# Altium PCB PA_8CH_CTRL.PcbDoc (part 10 of 11) (continued)
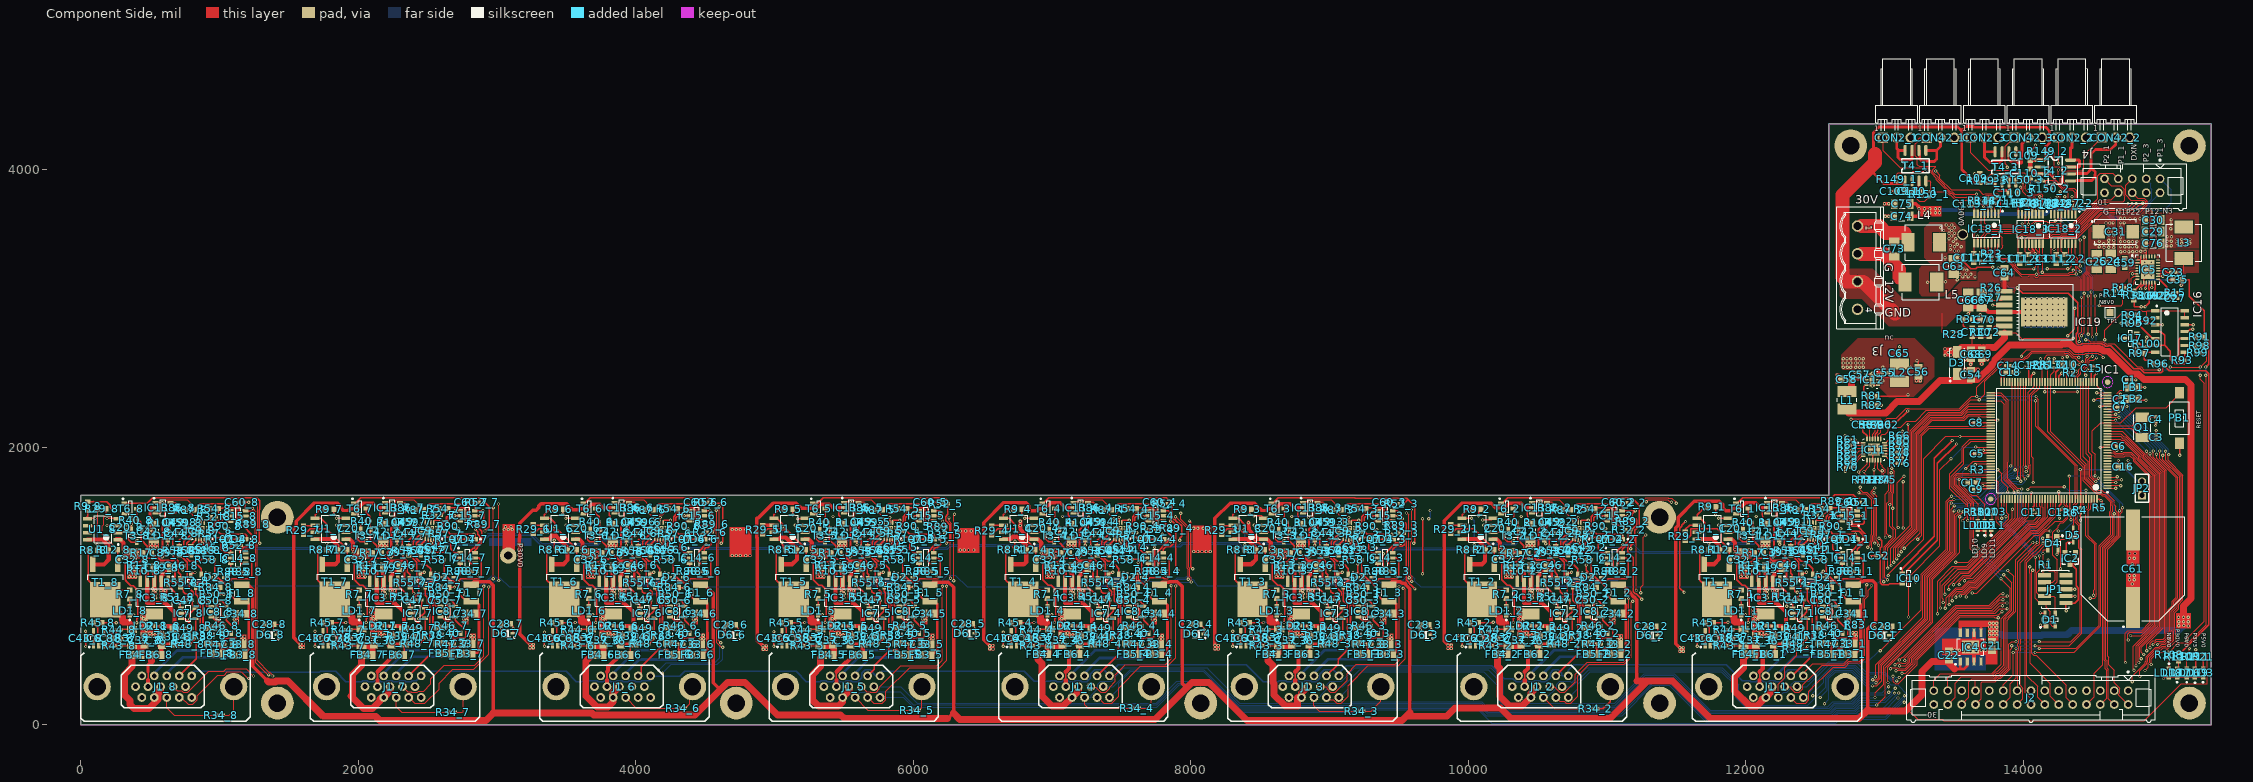
[diagram p0: Component Side view]
## Nets (pads, with @x,y where several pads share a name; then routed paths per layer and width w, separated by ;. In a path a pad name is that pad's centre, name@x,y a point inside that pad or via, vN(x,y) a via of type N, cw(c..) or ccw(c..) an arc to the next point about the centre after c; other vN are vias at no path point) (continued)
  Component Side w10: IC1.134@14333.64,1627.74 14334.81,1626.57 14334.81,1556.69 R6.2@14343,1548.5
  Solder Side w6: v1(14145,1113) 14256,1113 v1(14268,1125) ; v1(14331,1793) 14334,1796 v1(14517,1796)
SIG_ON_CH0: IC1.93 R50_8.1 R84_8.2 | length 15022.1
  Component Side w6: v1(13172,777) 13172.43,777.43 13172.43,1065.43 13399,1292 13399,1836.97 v1@13479.51,1917.49 ; v1(13658,2002.59) 13761.94,2002.59 IC1.93@13764.74,1999.79
  Component Side w10: R84_8.2@1002.5,992 1002.5,948.99 R50_8.1@994.5,941 v1(1031,941)
  Signal Layer 1 w6: v1(1031,941) 1197,941 1373,1117 2292,1117 2340,1069 2509,1069 2620,958 2761,958 2823.81,1020.81 2957.79,1020.81 2958.41,1020.19 2960.65,1020.19 2973.65,1007.19 3025.59,1007.19 3028.4,1010 3460,1010 3565.95,1115.95 3991.05,1115.95 4029,1078 4161,1078 4308,931 4504.97,931 4608.97,1035 5051,1035 5147,1131 5678.49,1131 5686.73,1139.24 5703.97,1139.24 5712.2,1131 5874.03,1131 5915,1090.03 5915,962.72 5974.72,903 6021,903 6022,904 6085.57,904 6259.38,1077.81 6265.81,1077.81 6301,1113 6889.88,1113 6955.55,1047.33 7018.79,1047.33 7049.46,1078 7456,1078 7464,1086 7521.43,1086 7542.28,1065.15 7683.03,1065.15 7746.88,1129 7860.88,1129 7891.88,1160 7980.4,1160 7983.21,1157.19 8178.21,1157.19 8181.02,1160 8463,1160 8508.05,1114.95 8606.1,1114.95 8607.1,1115.95 8624.34,1115.95 8625.34,1114.95 8672.34,1114.95 8690.1,1097.19 8766.81,1097.19 8788,1076 8953,1076 9043,986 9239,986 9311,1058 9507,1058 9577,1128 10074,1128 10239,963 10239.09,963 10242.09,960 10349.88,960 10400.88,1011 10544.03,1011 10587.22,967.81 10697.62,967.81 10788.1,877.33 10875.33,877.33 10961.33,963.33 11177.9,963.33 11205.38,990.81 11811.25,990.81 11873.06,929 12007.09,929 12103.09,833 12243.57,833 12286.38,875.81 12307.16,875.81 12341.64,841.33 12403,841.33 12415,829.33 12565.27,829.33 12589.94,854 12728,854 12805,777 v1(13172,777)
  Solder Side w6: v1(13479,1918) 13563.59,2002.59 v1(13658,2002.59)
SIG_ON_CH1: IC1.124 R50_7.1 R84_7.2 | length 13119.2
  Component Side w6: v1(13438,840) 13438,860 13441,863 13441,870.57 13443.81,873.38 13443.81,916.81 13515,988 13555,988 13606.31,1039.31 13640,1039.31 14046.69,1446 14089.94,1446 14142,1498.06 14142,1568 14136.79,1573.21 IC1.124@14136.79,1627.74
  Component Side w10: R50_7.1@2648.05,942.14 2656.04,950.13 R84_7.2@2656.04,993.14 2656.18,993 v1(2693,993)
  Signal Layer 1 w6: v1(2693,993) 2730,993 2790,1053 2870,1053 2956.95,1139.95 3816.35,1139.95 3850.35,1173.95 3894.71,1173.95 3903.66,1165 4096.57,1165 4105.38,1173.81 4122.62,1173.81 4131.43,1165 4159.03,1165 4304,1020.03 4304,979 4326.81,956.19 4393.97,956.19 4469.78,1032 4563,1032 4590,1059 5035,1059 5162.33,1186.33 5367.25,1186.33 5367.92,1187 5410.06,1187 5423.66,1200.61 5440.9,1200.61 5454.19,1187.32 5454.19,1186.38 5466.38,1174.19 5483.62,1174.19 5498.62,1189.19 5634.08,1189.19 5667.84,1222.95 5822.14,1222.95 5939,1106.09 5939,972.66 5983.66,928 6075.63,928 6284.63,1137 7042.66,1137 7071.33,1108.33 7215.33,1108.33 7248.33,1141.33 7327.33,1141.33 7355.81,1169.81 7494.34,1169.81 7575,1089.15 7673.09,1089.15 7736.94,1153 7850.94,1153 7881.94,1184 7990.34,1184 7993.15,1181.19 8168.27,1181.19 8171.08,1184 8479.03,1184 8523.08,1139.95 8634.28,1139.95 8635.28,1138.95 8682.28,1138.95 8700.04,1121.19 8787.84,1121.19 8804.03,1105 8966.03,1105 8989.03,1082 9035.03,1082 9064.03,1053 9135.4,1053 9154.21,1034.19 9233.16,1034.19 9309.3,1110.33 9456.51,1110.33 9459.63,1113.45 9500.39,1113.45 9539.94,1153 10083.03,1153 10252.03,984 10339.94,984 10393.94,1038 10554,1038 10600.19,991.81 10732.82,991.81 10767.44,957.19 10813.76,957.19 10819.38,962.81 10860.72,962.81 10885.24,987.33 11167.96,987.33 11195.44,1014.81 11821.19,1014.81 11883,953 12017.03,953 12113.03,857 12233.63,857 12276.44,899.81 12317.1,899.81 12351.58,865.33 12412.94,865.33 12424.94,853.33 12553.73,853.33 12557.04,856.64 12558.64,856.64 12580,878 12739,878 12794.57,822.43 13390,822.43 13390.43,822 13420,822 v1(13438,840)
SIG_ON_CH2: IC1.125 R50_6.1 R84_6.2 | length 11328.3
  Component Side w6: v1(13466,867) 13466,922.03 13519.97,976 13559.97,976 13611.28,1027.31 13644.97,1027.31 14049.66,1432 14092.91,1432 14156.47,1495.56 IC1.125@14156.47,1627.74
  Component Side w10: R50_6.1@4301.59,942.14 4309.58,950.13 R84_6.2@4309.58,993.14 4313.72,989 v1(4349,989)
  Signal Layer 1 w6: v1(4349,989) 4374,989 4441,1056 4527,1056 4556,1085 5007.97,1085 5219.92,1296.95 5387.22,1296.95 5439.11,1245.06 5558.11,1245.06 5558.98,1244.19 5613.25,1244.19 5619.01,1249.95 5829.08,1249.95 5966.05,1112.98 5966.05,979.55 5989.6,956 6069.69,956 6274.69,1161 7052.6,1161 7081.27,1132.33 7205.33,1132.33 7238.33,1165.33 7317.27,1165.33 7386.89,1234.95 7473.76,1234.95 7593.03,1115.69 7665.69,1115.69 7727,1177 7841,1177 7873,1209 7999.28,1209 8003.09,1205.19 8158.32,1205.19 8162.14,1209 8492,1209 8537.05,1163.95 8644.22,1163.95 8645.22,1162.95 8692.22,1162.95 8708.98,1146.19 8751.59,1146.19 8756.01,1150.61 8761.44,1145.19 8798.56,1145.19 8800.69,1147.31 8818,1130 8864,1130 8887,1153 9003,1153 9077.67,1078.33 9099.34,1078.33 9108.82,1087.81 9247.81,1087.81 9294.33,1134.33 9446.57,1134.33 9449.69,1137.45 9490.45,1137.45 9530,1177 10095,1177 10264,1008 10330,1008 10387,1065 10562,1065 10611.19,1015.81 10742.76,1015.81 10777.38,981.19 10803.82,981.19 10809.44,986.81 10850.78,986.81 10880.97,1017 10971.97,1017 10977.64,1011.33 11158.02,1011.33 11185.5,1038.81 11836.19,1038.81 11896,979 12032.03,979 12130.03,881 12223.69,881 12268.69,926 12352.6,926 12356.41,922.19 12383.59,922.19 12387.4,926 12434,926 12482.67,877.33 12543.79,877.33 12568.46,902 12755,902 12799,858 13387.95,858 13394.14,864.19 13411.38,864.19 13414.38,861.19 13431.62,861.19 13437.43,867 v1(13466,867)
SIG_ON_CH3: IC1.126 R50_5.1 R84_5.2 | length 9297.2
  Component Side w6: v1(13488,895) 13488,927.06 13524.94,964 13564.94,964 13616.25,1015.31 13649.94,1015.31 14054.63,1420 14098,1420 14176.16,1498.16 IC1.126@14176.16,1627.74
  Component Side w10: R50_5.1@5955.13,942.14 5963.13,950.13 R84_5.2@5963.13,993.14 v1(5998.86,993.14)
  Signal Layer 1 w6: v1(5998.86,993.14) 6044.57,993.14 6121.81,1070.38 6121.81,1085.21 6222.93,1186.33 7020.79,1186.33 7035.07,1200.61 7103.85,1200.61 7109.19,1195.26 7109.19,1191.38 7121.38,1179.19 7138.62,1179.19 7148.76,1189.33 7219.33,1189.33 7236,1206 7324,1206 7376.95,1258.95 7483.7,1258.95 7602.66,1140 7650,1140 7720,1210 7822,1210 7854,1242 8000.22,1242 8013.03,1229.19 8148.38,1229.19 8161.19,1242 8512,1242 8566.05,1187.95 8656.62,1187.95 8657.38,1187.19 8688.19,1187.19 8688.43,1186.95 8702.16,1186.95 8702.3,1186.82 8716.39,1186.82 8729.38,1199.81 8746.62,1199.81 8758.81,1187.62 8758.81,1181.76 8771.38,1169.19 8788.62,1169.19 8798.8,1179.37 8809.23,1179.37 8815.81,1185.95 9009.62,1185.95 9063.62,1131.95 9138.05,1131.95 9158.19,1111.81 9230.78,1111.81 9277.3,1158.33 9436.63,1158.33 9439.75,1161.45 9480.45,1161.45 9530,1211 9998.16,1211 10003.56,1205.61 10080.44,1205.61 10085.84,1211 10095,1211 10272,1034 10314,1034 10370.81,1090.81 10616.59,1090.81 10630.4,1077 10703,1077 10721,1059 10773,1059 10792,1040 10862,1040 10891,1069 11077,1069 11100,1046 11158,1046 11175,1063 11859,1063 11919,1003 12032.03,1003 12046.03,1017 12249.97,1017 12263.02,1003.95 12298.05,1003.95 12322.19,979.81 12433.19,979.81 12455,958 12494,958 12516,980 12601,980 12628,953 12769,953 12840,882 13272,882 13292.81,902.81 13447,902.81 13454.81,895 v1(13488,895)
SIG_ON_CH4: IC1.127 R50_4.1 R84_4.2 | length 7640.9
  Component Side w6: v1(13514,919) 13514,930 13536,952 13569.91,952 13621.22,1003.31 13654.91,1003.31 14055.6,1404 14098.97,1404 14195.84,1500.87 IC1.127@14195.84,1627.74
  Component Side w10: R50_4.1@7608.68,942.14 7616.67,950.13 R84_4.2@7616.67,993.14 7618.81,991 7624,996.19 7606.78,1013.41 7606.78,1084.37 7622,1099.59 v1(7622,1170)
  Signal Layer 1 w6: v1(7622,1170) 7622,1200.4 7658.6,1237 7818,1237 7851.81,1270.81 8353.78,1270.81 8370.44,1254.15 8437.12,1254.15 8489.92,1306.95 8692.08,1306.95 8759.03,1240 8863.48,1240 8863.64,1239.84 8915.99,1239.84 8926.1,1249.95 8963.4,1249.95 9001.35,1212 9050,1212 9101,1161 9136,1161 9173.19,1123.81 9225.81,1123.81 9272.33,1170.33 9431.66,1170.33 9434.78,1173.45 9469.39,1173.45 9520.94,1225 10001.13,1225 10008.53,1217.61 10075.47,1217.61 10082.87,1225 10135,1225 10241,1119 10612,1119 10637,1094 10704,1094 10724,1074 10780,1074 10800,1054 10848,1054 10877,1083 11090,1083 11113.17,1059.83 11135.38,1059.83 11154.51,1078.95 11876.05,1078.95 11935.81,1019.19 12031.25,1019.19 12041.06,1029 12254.94,1029 12264.75,1019.19 12311.81,1019.19 12339.19,991.81 12445.76,991.81 12467.38,970.19 12484.62,970.19 12514.43,1000 12620,1000 12651,969 12776,969 12851,894 13265.97,894 13290.97,919 v1(13514,919)
SIG_ON_CH5: IC1.128 R50_3.1 R84_3.2 | length 5911.4
  Component Side w6: v1(13545,929) 13556,940 13574.88,940 13626.2,991.31 13659.88,991.31 14060.57,1392 14103.94,1392 14215.53,1503.59 IC1.128@14215.53,1627.74
  Component Side w10: v1(9204,1160) 9204,1105.14 9231.39,1077.75 9231.39,1031.96 R84_3.2@9270.21,993.14 9270.21,950.13 R50_3.1@9262.22,942.14
  Signal Layer 1 w6: v1@9204,1156 v1(9204,1160) 9267.95,1223.95 9320.05,1223.95 9342.81,1201.19 9463.19,1201.19 9516,1254 10006.07,1254 10018.47,1241.61 10065.53,1241.61 10077.93,1254 10147,1254 10242.02,1158.98 10440.39,1158.98 10459.4,1178 10575.06,1178 10601.06,1152 10692,1152 10712.05,1131.95 10757.85,1131.95 10761.8,1128 10798,1128 10806.81,1119.19 11134.61,1119.19 11150.85,1102.95 11888.05,1102.95 11946,1045 12023.12,1045 12031.12,1053 12265.57,1053 12285.38,1072.81 12302.62,1072.81 12357.14,1018.29 12384.75,1018.29 12395.65,1029.19 12635.72,1029.19 12671.91,993 12788.03,993 12861.03,920 13030,920 13071.81,961.81 13443.62,961.81 13451.24,954.19 13519.81,954.19 v1(13545,929)
SIG_ON_CH6: IC1.129 R50_2.1 R84_2.2 | length 4169
  Component Side w6: v1(13588,922) 13588,936.15 13631.17,979.31 13664.88,979.31 14065.57,1380 14110.63,1380 14152.26,1421.63 14153.63,1421.63 14235.21,1503.21 IC1.129@14235.21,1627.74
  Component Side w10: v1(10849,1152) 10849,1113.68 10884.94,1077.75 10884.94,1031.96 R84_2.2@10923.76,993.14 10923.76,950.13 R50_2.1@10915.76,942.14
  Signal Layer 1 w6: v1(10849,1152) 10860,1163 11112.72,1163 11122.85,1152.87 11157.16,1152.87 11182.08,1127.95 11975.76,1127.95 11976.76,1126.95 12023.76,1126.95 12066.39,1084.33 12262.96,1084.33 12275.44,1096.81 12312.56,1096.81 12337.37,1072 12391.02,1072 12409.83,1053.19 12534,1053.19 12539,1058.19 12689.87,1058.19 12730.06,1018 12798.63,1018 12872.63,944 13014,944 13068,998 13206.6,998 13208.41,996.19 13269.19,996.19 13271,998 13470,998 13479,989 13521,989 v1(13588,922)
SIG_ON_CH7: IC1.132 R50_1.1 R84_1.2 | length 2406.4
  Component Side w6: v1(13632,950) 13665,950 14083,1368 14115.6,1368 14157.23,1409.63 14169.63,1409.63 14229.19,1469.19 14285.35,1469.19 14308.81,1492.65 14308.81,1571.62 14294.27,1586.16 IC1.132@14294.27,1627.74
  Component Side w10: v1(12558,1107) 12558,1097.6 12577.85,1077.75 12577.85,1065.59 12616.67,1026.77 R84_1.2@12616.67,993.14 12616.67,950.13 R50_1.1@12608.68,942.14
  Signal Layer 1 w6: v1(12558,1107) 12694,1107 12743,1058 12839,1058 12870.45,1089.45 13010.02,1089.45 13017.38,1096.81 13481.62,1096.81 13628.43,950 v1(13632,950)
SWCLK: D1.3 IC1.109 JP1.4 | length 1077.2
  Component Side w6: IC1.109@13841.51,1627.74 13837,1623.23 13845,1615.23 v1(13845,1490) ; v1(14117,1217) 14117,1117.6 14096.98,1097.58 14096.98,953.02 14122,928 JP1.4@14153.23,928 14219.64,928 14230.31,917.32 D1.3@14230.31,803.15
  Solder Side w6: v1(13845,1490) 13845,1489 13860.81,1473.19 13860.81,1449.16 14076.97,1233 14101,1233 v1(14117,1217)
SWDIO: D1.2 IC1.105 JP1.2 | length 1302.1
  Component Side w6: IC1.105@13764.74,1763.57 13804.42,1763.57 13817.75,1750.23 13817.75,1482.25 v1(13840,1460) ; v1(14087,1206) 14087.81,1205.19 14087.81,1105.38 14084.98,1102.55 14084.98,912.02 14119,878 JP1.2@14153.23,878 14163.39,867.84 14163.39,846.46 14192.91,816.93 14192.91,728.35 14208.66,712.6 D1.2@14230.31,712.6
  Solder Side w6: v1(13840,1460) 13840,1453 v1(14087,1206)
SWN1: IC1.54 J2.19 R112.1 | length 3140.5
  Component Side w6: J2.19@13855.12,246.85 13855.12,289.12 13927.08,361.08 v2@13927.08,521.65 ; v2(14084.65,521.65) 14367.36,521.65 14559,713.29 14559,1285.03 14643,1369.03 14643,1504.57 14634.19,1513.38 14634.19,1530.62 14643.78,1540.22 14643.78,1577.48 14642,1579.26 14642,1609.08 14587.7,1663.38 14573.59,1663.38 14558.7,1678.27 14533.36,1678.27 14442.81,1768.82 14442.81,1867.19 14195.84,2114.16 IC1.54@14195.84,2470.26 14195.84,2522.84 14221,2548 R112.1@14221,2576.5
  Solder Side w6: v2(13927.17,521.65) v2(14084.65,521.65)
SWN2: IC1.55 J2.20 R113.1 | length 3225.2
  Component Side w6: J2.20@13855.12,146.85 13906,197.73 13906,297 13947.98,338.98 v2@13947.98,551.18 ; v2(14114.15,551.18) 14379.92,551.18 14547,718.26 14547,1290 14630,1373 14630,1500.6 14622.19,1508.41 14622.19,1535.59 14630,1543.4 14630,1604.11 14582.73,1651.38 14568.62,1651.38 14559,1661 14545.39,1661 14540.12,1666.27 14528.39,1666.27 14520.66,1674 14518,1674 14430.81,1761.19 14430.81,1857.19 14176.16,2111.84 IC1.55@14176.16,2470.26 14176.16,2575.65 R113.1@14177,2576.5
  Solder Side w6: v2(13946.85,551.18) 13947.98,550.06 14113.02,550.06 v2(14114.15,551.18)
TACH1_1: CON2_1.1 IC18_1.2 R147_1.1 | length 1241
  Component Side w6: CON2_1.1@12987.61,4232.09 12989.02,4230.69 12989.02,4135.98 13111.41,4013.59 13312.7,4013.59 13335.3,3991 13335.3,3978.54 13373.64,3940.2 13373.64,3927.42 13469.74,3831.31 13482.52,3831.31 13510.83,3803.01 13594.68,3803.01 13596.33,3804.65 13623.51,3804.65 13625.15,3803.01 13671.02,3803.01 13675.94,3807.93 13722.76,3807.93 13732.1,3817.27 13811.21,3817.27 13816.48,3812 13816.48,3762.35 ; IC18_1.2@13795.77,3683.07 13795.28,3683.56 13795.28,3730.31 13816.48,3751.52 13816.48,3762.35 ; R147_1.1@13804.63,3750.49 13816.48,3762.35
TACH1_2: CON2_2.1 IC18_2.2 R147_2.1 | length 644.9
  Component Side w6: CON2_2.1@14251.39,4233.08 14253.94,4230.53 v2(14253.94,4048.23) ; v2(14252.95,3999.02) 14252.95,3954.72 14266,3941.68 14266,3890.35 14300.39,3855.97 14351.71,3855.97 14374.02,3833.66 14374.02,3764.63 14367.31,3757.93 14365.21,3757.93 14351.38,3744.09 R147_2.1@14351.38,3741.34 14349.9,3739.86 IC18_2.2@14349.9,3681.1
  Solder Side w6: v2(14252.95,3999.02) 14252.95,4047.24 v2(14253.94,4048.23)
TACH1_3: CON2_3.1 IC18_3.2 R147_3.1 | length 947.5
  Component Side w6: CON2_3.1@13620.48,4233.08 13620.48,4124.59 13746.36,3998.72 13926.75,3998.72 v1@13930,4001.97 ; v1(13930,4003.96) v1@13930,4010 ; IC18_3.2@14114.67,3679.13 v2(14114.67,3721.46) 14114.67,3741.83 R147_3.1@14118.11,3745.28
  Solder Side w6: v1(13930,4003.96) 14001.96,3932 14030.6,3932 14031.41,3932.81 14058.59,3932.81 14084.79,3906.61 14084.79,3831.93 14076.67,3823.81 14076.67,3761.7 14074.8,3759.84 14076.28,3759.84 v2(14114.67,3721.46)
TACH2_1: CON42_1.1 IC18_1.4 R148_1.1 | length 1030.9
  Component Side w6: CON42_1.1@13302.57,4232.09 13252.76,4232.09 13234.01,4213.34 13234.01,4200.32 13221.46,4187.76 13221.46,4100.16 13235.24,4086.38 13235.24,4038.39 13248.03,4025.59 13368.11,4025.59 13368.11,4021.56 13347.3,4000.75 13347.3,3983.51 13385.64,3945.17 13385.64,3932.39 13474.71,3843.31 13487.49,3843.31 13506.99,3823.82 v2(13662.4,3823.82) ; v2(13687.01,3783.46) 13714.43,3756.05 13722.2,3756.05 13731.99,3746.26 13748.03,3746.26 13748.03,3685.33 IC18_1.4@13745.77,3683.07
  Solder Side w6: v2(13662.4,3823.82) 13687.01,3799.21 v2(13687.01,3783.46)
TACH2_2: CON42_2.1 IC18_2.4 R148_2.1 | length 782.8
  Component Side w6: v2(14266.44,3842.71) 14266.44,3772.93 14298.03,3741.34 R148_2.1@14299.21,3741.34 14299.9,3740.65 IC18_2.4@14299.9,3681.1 ; v2(14313.98,3888.78) 14313.52,3888.78 14290,3912.3 14290,3977.7 14303.3,3991 14311,3991 14312.82,3992.82 14424.91,3992.82 14437.01,4004.92 14437.01,4105.31 14564.77,4233.08 CON42_2.1@14566.35,4233.08
  Solder Side w6: v2(14266.44,3842.71) 14267.9,3842.71 v2(14313.98,3888.78)
TACH2_3: CON42_3.1 IC18_3.4 R148_3.1 | length 704.9
  Component Side w6: v1(13885,4019.53) 13885,4030 13871.06,4043.94 13871.06,4168.69 CON42_3.1@13935.45,4233.08 ; IC18_3.4@14064.67,3679.13 v2(14064.67,3721.46)
  Solder Side w6: v1(13885,4019.53) 13984.53,3920 14035.57,3920 14036.38,3920.81 14053.62,3920.81 14065.81,3908.62 14065.81,3891.38 14064.67,3890.23 14064.67,3766.68 14062.8,3764.81 14062.8,3723.32 v2(14064.67,3721.46)
TDI: D4.3 IC1.110 JP1.8 R1.2 | length 930.8
  Component Side w6: IC1.110@13861.2,1627.74 13861.2,1512.8 v1(13875,1499) ; JP1.8@14153.23,1028 14213,1028 14231,1046 14231,1101 14220.5,1111.5 14182.5,1111.5 14141.5,1152.5 R1.2@14141.5,1154 14142,1154.5 v1(14142,1235) 14143.7,1236.7 14143.7,1259.84 14147.64,1263.78 D4.3@14175.2,1263.78
  Solder Side w6: v1(13875,1499) 13875,1451.94 14079.94,1247 14128,1247 14140,1235 v1(14142,1235)
TDO: D4.2 IC1.133 JP1.6 | length 772.2
  Component Side w6: D4.2@14175.2,1354.33 14209.5,1354.33 14213.44,1358.27 ; JP1.6@14196,985 14243,1032 14243,1191.81 14213.44,1221.37 14213.44,1358.27 ; IC1.133@14313.95,1627.74 14313.95,1583.45 14320.81,1576.59 14320.81,1487.68 14289.37,1456.24 14271.28,1456.24 14250.81,1435.78 14250.81,1425.94 14213.44,1388.57 14213.44,1358.27
THERMN: IC1.44 IC18_1.6 IC18_2.6 IC18_3.6 R22.2 | length 2249.3
  Component Side w6: IC18_1.6@13695.77,3683.07 13695.77,3602.46 13709.47,3588.76 v2(14014.46,3588.76) ; IC18_3.6@14014.67,3679.13 14014.67,3588.96 v2(14014.46,3588.76) ; v2@14230.9,3624.02 14173.13,3624.02 14167.08,3630.06 14080.95,3630.06 14058.21,3607.33 14058.21,3599.65 14046.02,3587.46 14015.76,3587.46 v2(14014.46,3588.76) ; v2@14241.2,3628.02 14249.9,3636.71 IC18_2.6@14249.9,3681.1 14249.9,3735.53 R22.2@14244.09,3741.34 ; IC1.44@14392.69,2470.26 14392.69,2509.52 14412.7,2529.53 14412.7,2555.28 14459.8,2602.37 14459.8,2607.62 14461.94,2609.77 14461.94,2631.24 14464.66,2631.24 14490.9,2657.47 v2(14498,2657.47) ; v2(14438.95,3336.61) v2(14438.98,3513.78) ; v2(14488.19,3120.08) 14488.19,3100.39 14489.29,3099.3 14489.29,3072.08 14488.19,3070.99 14488.19,2874.02 14498.03,2864.17 v2(14498.03,2795.28)
  Solder Side w6: v2(14230.9,3632.78) 14241.31,3632.78 14242.2,3631.89 14263,3652.69 14300.06,3652.69 v2(14438.98,3513.78) ; v2(14438.95,3336.61) 14442.26,3333.3 14442.26,3268.85 14488.19,3222.92 v2(14488.19,3120.08) ; v2(14498,2657.47) v2(14498.03,2795.28)
USER_IO0: IC1.141 J1_8.1 | length 15190.1
  Component Side w6: v1(13106,468) 13127,489 13136.21,489 13498.4,851.19 13499.62,851.19 13511.62,863.19 13753.19,863.19 13836,946 v1(13853,946) ; IC1.141@14471.43,1627.74 14471.43,1562.26 14451,1541.82 14451,1362.6 14513.53,1300.07 14513.53,1104.74 14513,1104.22 14513,976 14506,969 v1(14506,934)
  Signal Layer 1 w6: J1_8.1@440.08,196.5 477.53,233.95 501.93,233.95 525.65,257.67 525.65,290.65 579.58,344.58 579.58,370.32 603.3,394.04 1135.64,394.04 1147.8,381.87 1726.14,381.87 1738.31,394.04 2259.04,394.04 2263,398 3509,398 3510,397 3573.03,397 3614.54,438.51 4181.95,438.51 4188.46,432 7576.09,432 7596.28,452.19 9489.62,452.19 9506.43,469 11469,469 11469.81,468.19 11529.62,468.19 11530.43,469 13105,469 v1(13106,468) ; v1(13853,946) 13856.81,949.81 13897,949.81 13939.62,907.19 14393.19,907.19 14420,934 v1(14506,934)
USER_IO1: IC1.142 J1_7.1 | length 13573.9
  Component Side w6: v1(13145,464) 13145,479.6 13516.59,851.19 13762.19,851.19 13836.19,925.19 13881.19,925.19 v1(13885,929) ; v1(14483,913) 14514.43,913 14526.81,925.38 14526.81,942.62 14525,944.43 14525,1009 14525.53,1009.53 14525.53,1305.04 14468,1362.57 14468,1451.44 14466.62,1452.81 14466.62,1470.05 14468,1471.43 14468,1541.85 14484.31,1558.16 14484.31,1579.31 14491.12,1586.12 IC1.142@14491.12,1627.74
  Signal Layer 1 w6: J1_7.1@2074.25,197.64 J1_7.1@2093.62,197.64 2142.41,197.64 2143.13,198.36 2143.13,214.41 2166.85,238.13 2200.4,238.13 2203.44,235.09 2245.47,235.09 2269.2,258.82 2269.2,283.36 2301.93,316.09 2335.47,316.09 2338.51,313.05 2380.4,313.05 2383.44,316.09 2425.47,316.09 2428.51,313.05 2470.4,313.05 2542.35,385 3578,385 3619.51,426.51 4176.98,426.51 4183.49,420 7581.06,420 7601.25,440.19 9494.59,440.19 9509.42,455.02 11541.42,455.02 11543.4,457 13086.57,457 13096.38,447.19 13121.19,447.19 13138,464 v1(13145,464) ; v1(13885,929) 13918.81,895.19 14465.19,895.19 v1(14483,913)
USER_IO2: IC1.1 J1_6.1 | length 12083.7
  Component Side w6: v1(13075,433) 13080.57,433 13094.38,446.81 13119.62,446.81 13123.24,443.19 13153.62,443.19 13169,458.57 13169,486.63 13521.56,839.19 13767.19,839.19 13829,901 v1(13853,901) ; IC1.1@14607.26,1704.51 v1(14666.49,1704.51)
  Signal Layer 1 w6: J1_6.1@3727.8,197.64 J1_6.1@3747.17,197.64 3776.64,197.64 3841.75,262.75 3841.75,292.36 3886.67,337.29 3886.67,370.32 3910.39,394.04 3973.04,394.04 3993.51,414.51 4172.01,414.51 4179.52,407 7585.03,407 7606.22,428.19 9499.56,428.19 9514.39,443.02 11546.39,443.02 11548.37,445 13063,445 v1(13075,433) ; v1(13853,901) 13896.03,901 13913.84,883.19 14484.62,883.19 14566.93,965.5 14566.93,1509.5 14579.81,1522.38 14579.81,1605.24 14580.81,1606.24 14580.81,1618.83 v1(14666.49,1704.51)
USER_IO3: IC1.2 J1_5.1 | length 10491.4
  Component Side w6: v1(13107,426) 13153.4,426 13181,453.6 13181,481.66 13526.53,827.19 13777.19,827.19 13829.81,879.81 13880.19,879.81 v1(13882,878) ; IC1.2@14607.26,1724.2 14608.39,1725.32 14700.68,1725.32 v1(14701.8,1724.2)
  Signal Layer 1 w6: J1_5.1@5381.34,197.64 J1_5.1@5400.71,197.64 5449.49,197.64 5450.21,198.36 5450.21,214.41 5473.93,238.13 5515.97,238.13 5519.01,235.09 5560.89,235.09 5563.93,238.13 5605.97,238.13 5609.01,235.09 5650.89,235.09 5653.93,238.13 5695.97,238.13 5699.01,235.09 5740.89,235.09 5743.93,238.13 5810.56,238.13 5967.43,395 7590,395 7611.19,416.19 9504.53,416.19 9519.36,431.02 11551.36,431.02 11553.34,433 13045.57,433 13066.38,412.19 13083.62,412.19 13097.43,426 v1(13107,426) ; v1(13882,878) 13888.81,871.19 14494.19,871.19 14556,933 14556,937.6 14578.93,960.53 14578.93,1504.53 14591.81,1517.41 14591.81,1600.27 14592.81,1601.27 14592.81,1613.86 14662.65,1683.7 14675.11,1683.7 14701.8,1710.4 v1(14701.8,1724.2)
USER_IO4: IC1.3 J1_4.1 | length 8883.9
  Component Side w6: v1(13043,405) 13048.81,410.81 13091.76,410.81 13097.38,405.19 13149.56,405.19 13195,450.63 13195,478.69 13531.5,815.19 13786.19,815.19 13830,859 v1(13850,859) ; IC1.3@14607.26,1743.88 14610.38,1747 v1(14666,1747)
  Signal Layer 1 w6: J1_4.1@7034.88,197.64 J1_4.1@7054.25,197.64 7103.04,197.64 7103.76,198.36 7103.76,214.41 7127.48,238.13 7161.03,238.13 7164.07,235.09 7206.1,235.09 7209.14,238.13 7251.03,238.13 7254.07,235.09 7296.1,235.09 7299.14,238.13 7341.03,238.13 7344.07,235.09 7386.1,235.09 7389.14,238.13 7500.13,238.13 7658,396 10284.03,396 10307.05,419.02 11556.33,419.02 11558.31,421 13025,421 13041,405 v1(13043,405) ; v1(13850,859) 13851.81,857.19 14504.19,857.19 14568,921 14568,932.63 14593,957.63 14593,1501.63 14603.81,1512.44 14603.81,1591.81 14722.61,1710.61 14722.61,1732.82 14709.24,1746.19 14666.81,1746.19 v1(14666,1747)
USER_IO5: IC1.4 J1_3.1 | length 7296.1
  Component Side w6: v1(13082,390) 13084.81,392.81 13154.15,392.81 13197.17,435.83 13198.86,435.83 13208,444.97 13208,474.72 13536.47,803.19 13798.19,803.19 13831,836 13872,836 13874,838 13876,836 v1(13883,836) ; IC1.4@14607.26,1763.57 14653.14,1763.57 14657.38,1767.81 14674.62,1767.81 14675.43,1767 v1(14707,1767)
  Signal Layer 1 w6: J1_3.1@8688.43,197.64 J1_3.1@8707.8,197.64 8756.58,197.64 8757.3,198.36 8757.3,214.41 8781.02,238.13 8823.06,238.13 8826.1,235.09 8867.98,235.09 8871.02,238.13 8913.06,238.13 8916.1,235.09 8957.98,235.09 8961.02,238.13 9003.06,238.13 9006.1,235.09 9039.65,235.09 9063.37,258.82 9063.37,281.37 9165.02,383.02 10288.02,383.02 10312.02,407.02 11570.02,407.02 11572,409 13009.57,409 13034.38,384.19 13051.62,384.19 13052.43,385 13077,385 v1(13082,390) ; v1(13883,836) 13889.81,842.81 14318.62,842.81 14325.43,836 14505,836 14580,911 14580,927.66 14607,954.66 14607,1498.66 14615.81,1507.47 14615.81,1585.81 14735,1705 14735,1739 v1(14707,1767)
USER_IO6: IC1.5 J1_2.1 | length 5709
  Component Side w6: v1(13126,372) 13152,372 13220,440 13220,469.75 13541.44,791.19 13808.76,791.19 13810.38,792.81 13823.81,792.81 v1(13846,815) ; IC1.5@14607.26,1783.25 14671.25,1783.25 v1(14677,1789)
  Signal Layer 1 w6: J1_2.1@10341.97,197.64 J1_2.1@10361.34,197.64 10398.79,235.09 10431.52,235.09 10434.56,238.13 10468.11,238.13 10471.15,235.09 10521.52,235.09 10524.56,238.13 10558.11,238.13 10561.15,235.09 10611.52,235.09 10614.56,238.13 10648.11,238.13 10651.15,235.09 10701.52,235.09 10704.56,238.13 10799.13,238.13 10802.17,235.09 10814.11,235.09 10903.35,324.34 10903.35,359.3 10939.07,395.02 13006.58,395.02 13029.41,372.19 13070.38,372.19 13073.38,369.19 13090.62,369.19 13093.43,372 v1(13126,372) ; v1(13846,815) 14102.5,815 14115.4,827.9 14274.67,827.9 14301.38,801.19 14491.19,801.19 14592,902 14592,922.69 14619,949.69 14619,1493.69 14627.81,1502.5 14627.81,1580.84 14747,1700.03 14747,1759 14717,1789 v1(14677,1789)
USER_IO7: IC1.58 J1_1.1 | length 4107.7
  Component Side w6: v1(13061,351) 13063,349 13063,312 13063.57,312 13079.38,296.19 13098.19,296.19 13236,434 13236,468.78 13546.41,779.19 13787.19,779.19 13794.38,772 v1(13819,772) ; v1(14072,1746) 14072,1921 14062,1931 14062,2374 14117.1,2429.1 IC1.58@14117.1,2470.26
  Signal Layer 1 w6: J1_1.1@12054.25,197.64 12091.71,235.09 12124.44,235.09 12127.48,238.13 12169.52,238.13 12172.56,235.09 12214.44,235.09 12217.48,238.13 12259.52,238.13 12262.56,235.09 12304.44,235.09 12307.48,238.13 12349.52,238.13 12352.56,235.09 12394.44,235.09 12414.15,254.81 12524.81,254.81 12576,306 12579.62,306 12656.64,383.02 12994.98,383.02 13027,351 v1(13061,351) ; v1(13819,772) 13825.19,778.19 13825.19,947.62 13870.57,993 13947,993 14047.19,1093.19 14075.62,1093.19 14087.81,1105.38 14087.81,1133.81 14174,1220 14174,1387.09 14172.07,1389.01 14172.07,1406.26 14174,1408.18 14174,1644 v1(14072,1746)
VIN_REG_N7: C35.2 IC5.11 IC5.17 | length 385.9
  Component Side w10: v1(14879.86,3145.61) 14879.86,3152.61 14887.02,3159.76 IC5.11@14887.02,3187.12 ; IC5.17@14971.66,3252.08 14991.73,3252.08 14994.86,3255.2 15014.09,3255.2 15036.86,3232.44 v1(15036.86,3208.61) 15037.86,3209.61 C35.2@15080.36,3209.61
  Solder Side w10: v1(14879.86,3145.61) 14879.86,3170.61 14917.86,3208.61 v1(15036.86,3208.61)
pads on no net: IC1.6 IC1.7 IC1.8 IC1.9 IC1.10 IC1.11 IC1.12 IC1.46 IC1.47 IC1.49 IC1.50 IC1.53 IC1.69 IC1.70 IC1.75 IC1.87 IC1.88 IC1.92 IC1.96 IC1.97 IC1.100 IC1.112 IC1.113 IC1.135 IC1.FTG1 IC1.FTG2 IC4.4 IC4.7 IC9_1.7 IC9_2.7 IC9_3.7 IC9_4.7 IC9_5.7 IC9_6.7 IC9_7.7 IC9_8.7 IC12.4 IC12.7 IC18_1.7 IC18_2.7 IC18_3.7 JP1.7 JP1.9 U1_1.7 U1_2.7 U1_3.7 U1_4.7 U1_5.7 U1_6.7 U1_7.7 U1_8.7